# KiCad board mackerel-30-proto.kicad_pcb
title: Mackerel-30; date: 2024-11-09; rev: 0.1; company: Colin Maykish
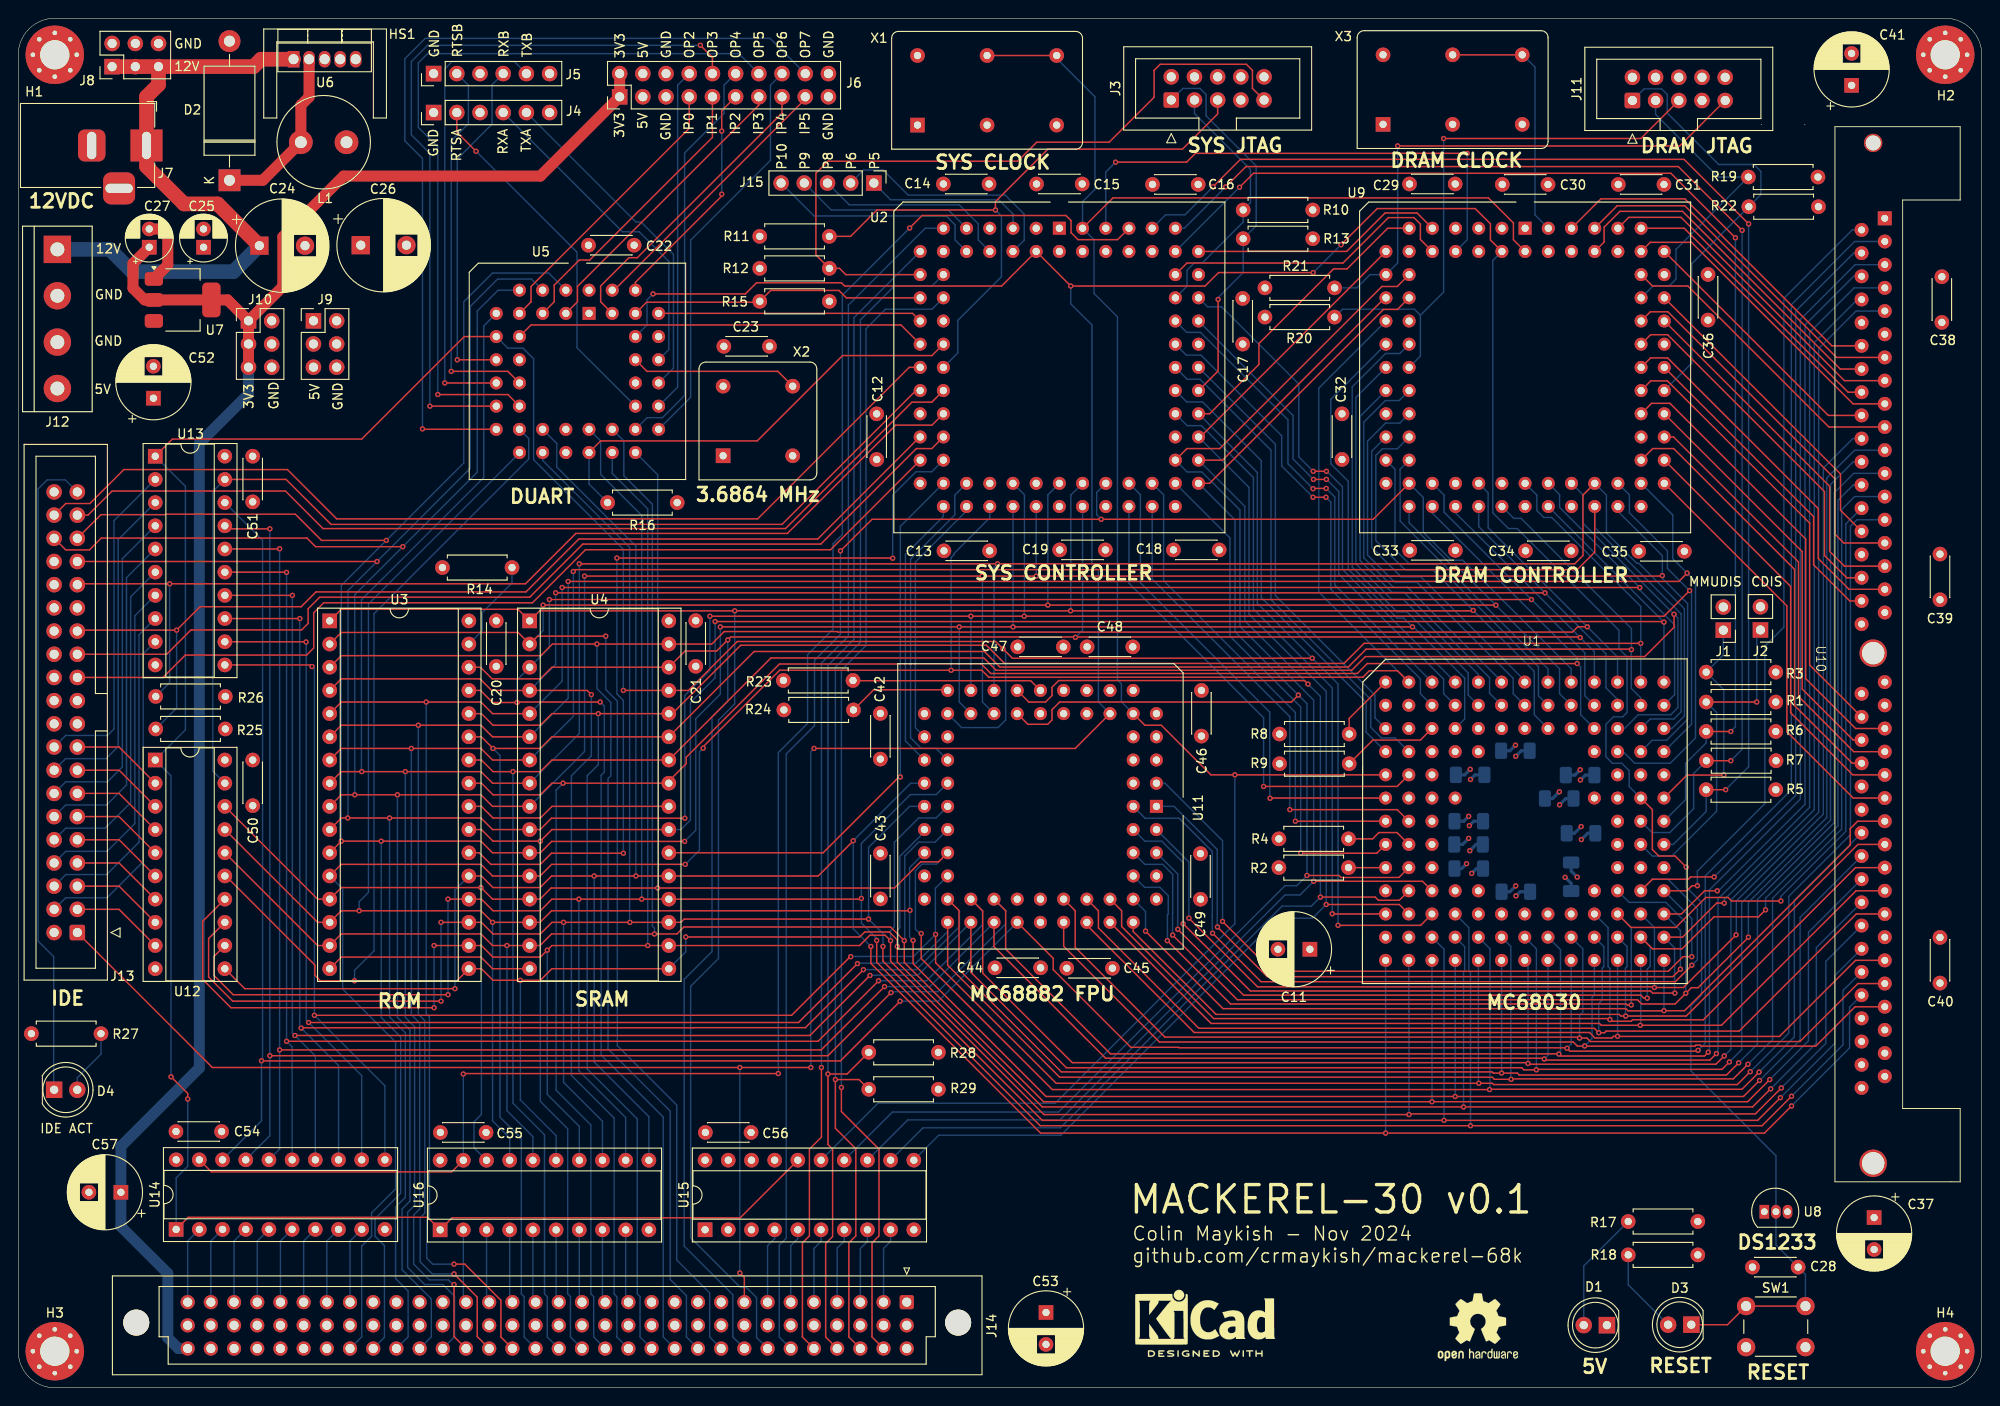
[diagram p0: board, top side]
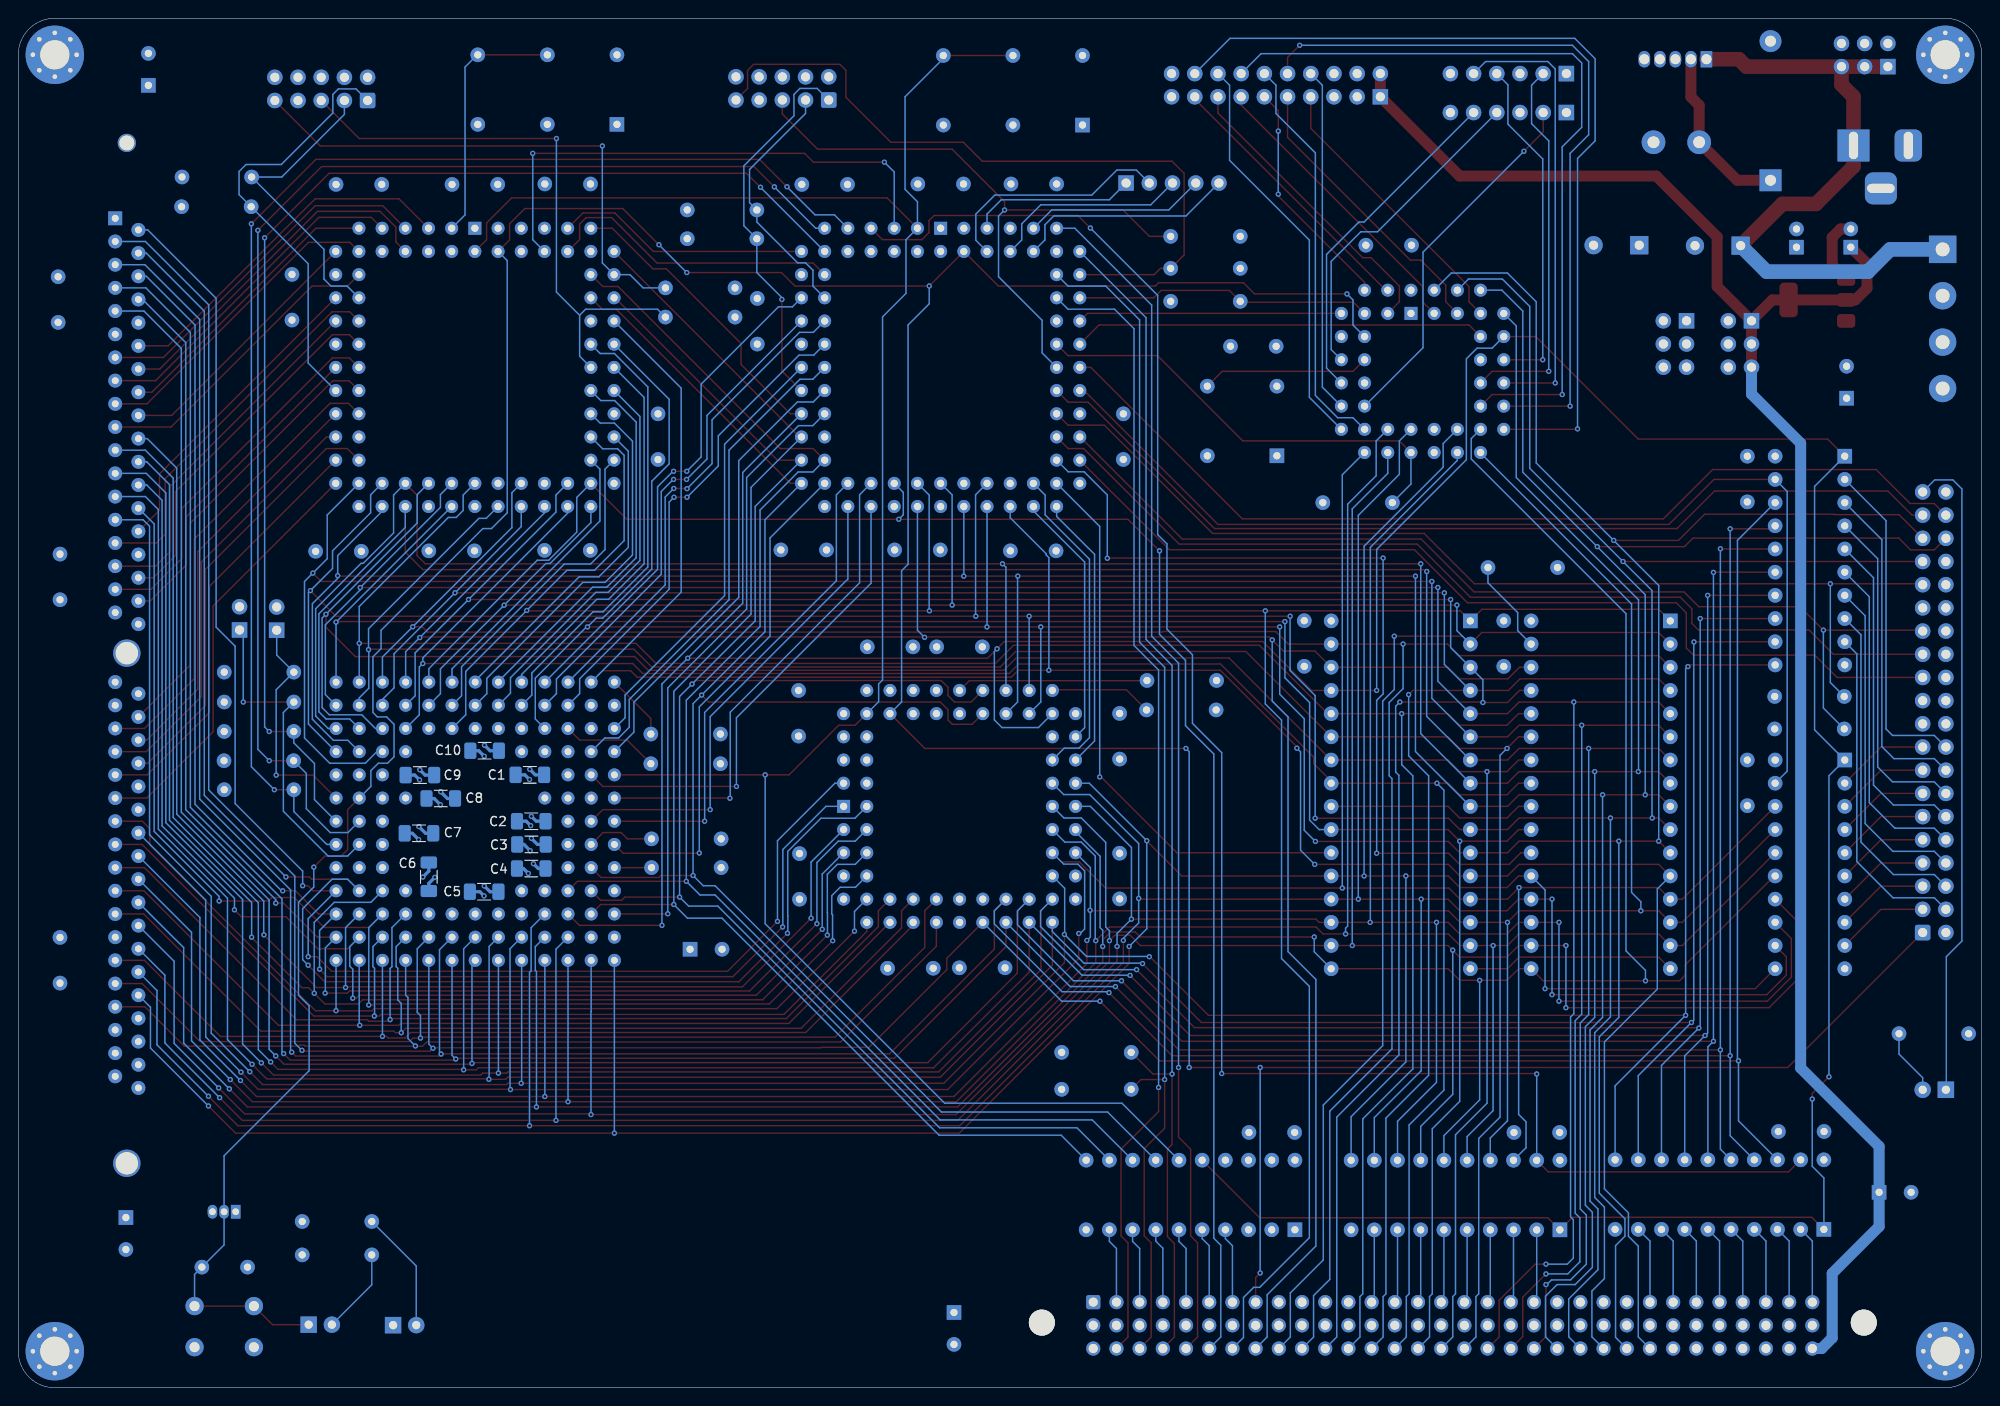
[diagram p1: board, bottom side, seen from below]

Outline 215 x 150 mm; copper layers: Top, In1.Cu, In2.Cu, Bottom. Coordinates in mm from the lower left corner of the outline.
Outline path: 0,146 0,4 arc(1.17,1.17) 4,0 211,0 arc(213.83,1.17) 215,4 215,146 arc(213.83,148.83) 211,150 4,150 arc(1.17,148.83) 0,146
Stack: Top 0.035mm / dielectric 0.1mm FR4 er 4.5 / In1.Cu 0.035mm / dielectric 1.24mm FR4 er 4.5 / In2.Cu 0.035mm / dielectric 0.1mm FR4 er 4.5 / Bottom 0.035mm

## Placement (name value [footprint] x y rotation side)
C1  0.1uF  [C_1206_3216Metric_Pad1.33x1.80mm_HandSolder]  158.98 67.13 0 bottom
C2  0.1uF  [C_1206_3216Metric_Pad1.33x1.80mm_HandSolder]  158.83 62.05 180 bottom
C3  0.1uF  [C_1206_3216Metric_Pad1.33x1.80mm_HandSolder]  158.8 59.51 0 bottom
C4  0.1uF  [C_1206_3216Metric_Pad1.33x1.80mm_HandSolder]  158.83 56.87 0 bottom
C5  0.1uF  [C_1206_3216Metric_Pad1.33x1.80mm_HandSolder]  163.98 54.33 0 bottom
C6  0.1uF  [C_1206_3216Metric_Pad1.33x1.80mm_HandSolder]  170.04 55.97 90 bottom
C7  0.1uF  [C_1206_3216Metric_Pad1.33x1.80mm_HandSolder]  171.12 60.73 180 bottom
C8  0.1uF  [C_1206_3216Metric_Pad1.33x1.80mm_HandSolder]  168.74 64.54 180 bottom
C9  0.1uF  [C_1206_3216Metric_Pad1.33x1.80mm_HandSolder]  171.02 67.1 180 bottom
C10  0.1uF  [C_1206_3216Metric_Pad1.33x1.80mm_HandSolder]  163.93 69.77 0 bottom
C11  470uF  [CP_Radial_D8.0mm_P3.50mm]  141.44 48.03 180 top
C12  0.1uF  [C_Disc_D4.3mm_W1.9mm_P5.00mm]  94 106.67 270 top
C13  0.1uF  [C_Disc_D4.3mm_W1.9mm_P5.00mm]  106.36 91.67 180 top
C14  0.1uF  [C_Disc_D4.3mm_W1.9mm_P5.00mm]  101.3 131.85 0 top
C15  0.1uF  [C_Disc_D4.3mm_W1.9mm_P5.00mm]  111.5 131.85 0 top
C16  0.1uF  [C_Disc_D4.3mm_W1.9mm_P5.00mm]  124.2 131.8 0 top
C17  0.1uF  [C_Disc_D4.3mm_W1.9mm_P5.00mm]  134.08 114.31 90 top
C18  0.1uF  [C_Disc_D4.3mm_W1.9mm_P5.00mm]  126.5 91.77 0 top
C19  0.1uF  [C_Disc_D4.3mm_W1.9mm_P5.00mm]  114.04 91.77 0 top
C20  0.1uF  [C_Disc_D4.3mm_W1.9mm_P5.00mm]  52.34 84.01 270 top
C21  0.1uF  [C_Disc_D4.3mm_W1.9mm_P5.00mm]  74.18 84.02 270 top
C22  0.1uF  [C_Disc_D4.3mm_W1.9mm_P5.00mm]  62.44 125.14 0 top
C23  0.1uF  [C_Disc_D4.3mm_W1.9mm_P5.00mm]  77.26 114.07 0 top
C24  1000uF  [CP_Radial_D10.0mm_P5.00mm]  26.4 125.09 0 top
C25  10uF  [CP_Radial_D5.0mm_P2.00mm]  20.28 124.92 90 top
C26  1000uF  [CP_Radial_D10.0mm_P5.00mm]  37.51 125.14 0 top
C27  10uF  [CP_Radial_D5.0mm_P2.00mm]  14.34 124.92 90 top
C28  0.01uF  [C_Disc_D4.3mm_W1.9mm_P5.00mm]  194.89 13.21 180 top
C29  0.1uF  [C_Disc_D4.3mm_W1.9mm_P5.00mm]  152.34 131.85 0 top
C30  0.1uF  [C_Disc_D4.3mm_W1.9mm_P5.00mm]  162.5 131.8 0 top
C31  0.1uF  [C_Disc_D4.3mm_W1.9mm_P5.00mm]  175.2 131.8 0 top
C32  0.1uF  [C_Disc_D4.3mm_W1.9mm_P5.00mm]  144.95 106.67 270 top
C33  0.1uF  [C_Disc_D4.3mm_W1.9mm_P5.00mm]  157.36 91.72 180 top
C34  0.1uF  [C_Disc_D4.3mm_W1.9mm_P5.00mm]  165.04 91.67 0 top
C35  0.1uF  [C_Disc_D4.3mm_W1.9mm_P5.00mm]  177.44 91.62 0 top
C36  0.1uF  [C_Disc_D4.3mm_W1.9mm_P5.00mm]  185.03 116.94 90 top
C37  470uF  [CP_Radial_D8.0mm_P3.50mm]  203.22 18.64 270 top
C38  0.1uF  [C_Disc_D4.3mm_W1.9mm_P5.00mm]  210.63 116.69 90 top
C39  0.1uF  [C_Disc_D4.3mm_W1.9mm_P5.00mm]  210.43 91.31 270 top
C40  0.1uF  [C_Disc_D4.3mm_W1.9mm_P5.00mm]  210.43 49.32 270 top
C41  470uF  [CP_Radial_D8.0mm_P3.50mm]  200.75 142.65 90 top
C42  0.1uF  [C_Disc_D4.3mm_W1.9mm_P5.00mm]  94.4 73.86 270 top
C43  0.1uF  [C_Disc_D4.3mm_W1.9mm_P5.00mm]  94.4 53.54 90 top
C44  0.1uF  [C_Disc_D4.3mm_W1.9mm_P5.00mm]  111.95 46 180 top
C45  0.1uF  [C_Disc_D4.3mm_W1.9mm_P5.00mm]  114.81 45.95 0 top
C46  0.1uF  [C_Disc_D4.3mm_W1.9mm_P5.00mm]  129.56 76.38 270 top
C47  0.1uF  [C_Disc_D4.3mm_W1.9mm_P5.00mm]  114.44 81.15 180 top
C48  0.1uF  [C_Disc_D4.3mm_W1.9mm_P5.00mm]  117.04 81.15 0 top
C49  0.1uF  [C_Disc_D4.3mm_W1.9mm_P5.00mm]  129.45 53.5 90 top
C50  C  [C_Disc_D4.3mm_W1.9mm_P5.00mm]  25.67 68.76 270 top
C51  C  [C_Disc_D4.3mm_W1.9mm_P5.00mm]  25.67 102.03 270 top
C52  470uF  [CP_Radial_D8.0mm_P3.50mm]  14.8 108.38 90 top
C53  470uF  [CP_Radial_D8.0mm_P3.50mm]  112.54 8.25 270 top
C54  0.1uF  [C_Disc_D4.3mm_W1.9mm_P5.00mm]  17.27 28.06 0 top
C55  0.1uF  [C_Disc_D4.3mm_W1.9mm_P5.00mm]  46.22 27.96 0 top
C56  0.1uF  [C_Disc_D4.3mm_W1.9mm_P5.00mm]  75.24 27.96 0 top
C57  470uF  [CP_Radial_D8.0mm_P3.50mm]  11.24 21.41 180 top
D1  LED  [LED_D5.0mm]  173.96 6.86 180 top
D2  1N5822  [D_DO-27_P15.24mm_Horizontal]  23.13 132.26 90 top
D3  LED  [LED_D5.0mm]  183.2 6.91 180 top
D4  LED  [LED_D5.0mm]  3.93 32.64 0 top
H1  MountingHole_Pad  [MountingHole_3.2mm_M3_Pad_Via]  4 146 0 top
H2  MountingHole_Pad  [MountingHole_3.2mm_M3_Pad_Via]  211 146 0 top
H3  MountingHole_Pad  [MountingHole_3.2mm_M3_Pad_Via]  4 4 0 top
H4  MountingHole_Pad  [MountingHole_3.2mm_M3_Pad_Via]  211 4 0 top
HS1  Heatsink  [Heatsink_Stonecold_HS-S02_13.21x9.53mm]  33.59 148.71 0 top
J1  Conn_01x02  [PinHeader_1x02_P2.54mm_Vertical]  186.71 82.97 180 top
J2  Conn_01x02  [PinHeader_1x02_P2.54mm_Vertical]  190.77 83 180 top
J3  Conn_02x05_Odd_Even  [IDC-Header_2x05_P2.54mm_Vertical]  126.25 141.04 90 top
J4  Conn_01x06  [PinHeader_1x06_P2.54mm_Vertical]  45.48 139.67 90 top
J5  Conn_01x06  [PinHeader_1x06_P2.54mm_Vertical]  45.48 143.94 90 top
J6  Conn_02x10_Odd_Even  [PinHeader_2x10_P2.54mm_Vertical]  65.85 141.4 90 top
J7  Barrel_Jack_MountingPin  [BarrelJack_Horizontal]  14.04 136.07 0 top
J8  Conn_02x03_Odd_Even  [PinHeader_2x03_P2.54mm_Vertical]  10.28 144.7 90 top
J9  Conn_02x03_Odd_Even  [PinHeader_2x03_P2.54mm_Vertical]  32.32 116.86 0 top
J10  Conn_02x03_Odd_Even  [PinHeader_2x03_P2.54mm_Vertical]  25.21 116.86 0 top
J11  Conn_02x05_Odd_Even  [IDC-Header_2x05_P2.54mm_Vertical]  176.75 140.99 90 top
J12  Screw_Terminal_01x04  [TerminalBlock_bornier-4_P5.08mm]  4.28 124.69 270 top
J13  Conn_02x20_Odd_Even  [IDC-Header_2x20_P2.54mm_Vertical]  6.47 49.86 180 top
J14  DIN41612_03x32_ABC  [DIN41612_C_3x32_Female_Vertical_THT]  97.29 9.38 270 top
J15  Conn_01x05  [PinHeader_1x05_P2.54mm_Vertical]  93.69 131.95 270 top
L1  100uH  [L_Radial_D10.0mm_P5.00mm_Fastron_07M]  30.94 136.42 0 top
R1  4k7  [R_Axial_DIN0207_L6.3mm_D2.5mm_P7.62mm_Horizontal]  192.45 75.11 180 top
R2  4k7  [R_Axial_DIN0207_L6.3mm_D2.5mm_P7.62mm_Horizontal]  138.04 56.97 0 top
R3  4k7  [R_Axial_DIN0207_L6.3mm_D2.5mm_P7.62mm_Horizontal]  192.45 78.38 180 top
R4  4k7  [R_Axial_DIN0207_L6.3mm_D2.5mm_P7.62mm_Horizontal]  138.04 60.12 0 top
R5  4k7  [R_Axial_DIN0207_L6.3mm_D2.5mm_P7.62mm_Horizontal]  192.45 65.5 180 top
R6  4k7  [R_Axial_DIN0207_L6.3mm_D2.5mm_P7.62mm_Horizontal]  192.45 71.88 180 top
R7  4k7  [R_Axial_DIN0207_L6.3mm_D2.5mm_P7.62mm_Horizontal]  192.47 68.68 180 top
R8  4k7  [R_Axial_DIN0207_L6.3mm_D2.5mm_P7.62mm_Horizontal]  138.12 71.6 0 top
R9  4k7  [R_Axial_DIN0207_L6.3mm_D2.5mm_P7.62mm_Horizontal]  138.12 68.35 0 top
R10  R  [R_Axial_DIN0207_L6.3mm_D2.5mm_P7.62mm_Horizontal]  141.75 129 180 top
R11  R  [R_Axial_DIN0207_L6.3mm_D2.5mm_P7.62mm_Horizontal]  81.19 126.11 0 top
R12  R  [R_Axial_DIN0207_L6.3mm_D2.5mm_P7.62mm_Horizontal]  81.19 122.6 0 top
R13  R  [R_Axial_DIN0207_L6.3mm_D2.5mm_P7.62mm_Horizontal]  134.13 125.85 0 top
R14  4k7  [R_Axial_DIN0207_L6.3mm_D2.5mm_P7.62mm_Horizontal]  46.45 89.84 0 top
R15  R  [R_Axial_DIN0207_L6.3mm_D2.5mm_P7.62mm_Horizontal]  81.19 119 0 top
R16  R  [R_Axial_DIN0207_L6.3mm_D2.5mm_P7.62mm_Horizontal]  64.53 96.95 0 top
R17  1k  [R_Axial_DIN0207_L6.3mm_D2.5mm_P7.62mm_Horizontal]  183.91 18.21 180 top
R18  1k  [R_Axial_DIN0207_L6.3mm_D2.5mm_P7.62mm_Horizontal]  183.91 14.55 180 top
R19  R  [R_Axial_DIN0207_L6.3mm_D2.5mm_P7.62mm_Horizontal]  197.07 132.61 180 top
R20  R  [R_Axial_DIN0207_L6.3mm_D2.5mm_P7.62mm_Horizontal]  136.51 117.27 0 top
R21  R  [R_Axial_DIN0207_L6.3mm_D2.5mm_P7.62mm_Horizontal]  136.51 120.47 0 top
R22  R  [R_Axial_DIN0207_L6.3mm_D2.5mm_P7.62mm_Horizontal]  189.5 129.36 0 top
R23  4k7  [R_Axial_DIN0207_L6.3mm_D2.5mm_P7.62mm_Horizontal]  83.78 77.47 0 top
R24  4k7  [R_Axial_DIN0207_L6.3mm_D2.5mm_P7.62mm_Horizontal]  83.84 74.24 0 top
R25  4k7  [R_Axial_DIN0207_L6.3mm_D2.5mm_P7.62mm_Horizontal]  22.67 72.16 180 top
R26  4k7  [R_Axial_DIN0207_L6.3mm_D2.5mm_P7.62mm_Horizontal]  22.67 75.72 180 top
R27  470  [R_Axial_DIN0207_L6.3mm_D2.5mm_P7.62mm_Horizontal]  1.44 38.78 0 top
R28  4k7  [R_Axial_DIN0207_L6.3mm_D2.5mm_P7.62mm_Horizontal]  93.13 36.74 0 top
R29  4k7  [R_Axial_DIN0207_L6.3mm_D2.5mm_P7.62mm_Horizontal]  93.13 32.69 0 top
REF**  -  [KiCad-Logo2_6mm_SilkScreen]  129.96 7.74 0 top
REF**#2  -  [OSHW-Logo2_9.8x8mm_SilkScreen]  159.83 6.63 0 top
SW1  SW_Push  [SW_PUSH_6mm_H5mm]  189.2 8.94 0 top
U1  MC68030RC  [PGA169]  149.72 77.29 0 top
U2  EPM7128  [PLCC-84_THT-Socket]  114 127 0 top
U3  SST39SF040  [DIP-32_W15.24mm_Socket]  34.1 84 0 top
U4  AS6C4008-55PCN  [DIP-32_W15.24mm_Socket]  56 84 0 top
U5  XR68C681  [PLCC-44_THT-Socket]  62.5 117.68 0 top
U6  LM2576T-5  [TO-220-5_Vertical]  30.15 145.51 0 top
U7  AMS1117-3.3  [SOT-223-3_TabPin2]  18 119.15 0 top
U8  DS1233  [TO-92L_Inline]  191.19 19.28 0 top
U9  EPM7128  [PLCC-84_THT-Socket]  165 127 0 top
U10  SIMM72  [SIMM-72]  204.38 128.09 270 top
U11  MC68882  [PLCC-68_THT-Socket]  124.63 63.68 270 top
U12  74HC245  [DIP-20_W7.62mm_Socket]  15 68.76 0 top
U13  74HC245  [DIP-20_W7.62mm_Socket]  15 102.03 0 top
U14  74HC245  [DIP-20_W7.62mm_Socket]  17.29 17.35 90 top
U15  74HC245  [DIP-20_W7.62mm_Socket]  75.2 17.31 90 top
U16  74HC245  [DIP-20_W7.62mm_Socket]  46.19 17.3 90 top
X1  CXO_DIP14  [Oscillator_DIP-14]  98.47 138.3 0 top
X2  3.6864MHz  [Oscillator_DIP-8]  77.18 102.08 0 top
X3  CXO_DIP14  [Oscillator_DIP-14]  149.44 138.38 0 top

## Library data of the parts
C1-C10 C12-C23 C28-C36 C38-C40 C42-C51 C54-C56 = -: Description: Unpolarized capacitor; ki_fp_filters: C_*
C11 C25 C27 C37 C41 C52 C53 C57 = -: Description: Polarized capacitor, US symbol; ki_fp_filters: CP_*
C24 C26 = -: Description: Polarized capacitor; ki_fp_filters: CP_*
D1 D3 D4 = -: Description: Light emitting diode; ki_fp_filters: LED* LED_SMD:* LED_THT:*
D2 = -: Description: Schottky diode; ki_fp_filters: TO-???* *_Diode_* *SingleDiode* D_*
H1-H4 = -: Description: Mounting Hole with connection; ki_fp_filters: MountingHole*Pad*
HS1 = -: ki_fp_filters: Heatsink_*
J1 J2 = -: Description: Generic connector, single row, 01x02, script generated (kicad-library-utils/schlib/autogen/connector/); ki_fp_filters: Connector*:*_1x??_*
J3 J11 = -: Description: Generic connector, double row, 02x05, odd/even pin numbering scheme (row 1 odd numbers, row 2 even numbers), script generated (kicad-library-utils/schlib/autogen/connector/); ki_fp_filters: Connector*:*_2x??_*
J4 J5 = -: Description: Generic connector, single row, 01x06, script generated (kicad-library-utils/schlib/autogen/connector/); ki_fp_filters: Connector*:*_1x??_*
J6 = -: Description: Generic connector, double row, 02x10, odd/even pin numbering scheme (row 1 odd numbers, row 2 even numbers), script generated (kicad-library-utils/schlib/autogen/connector/); ki_fp_filters: Connector*:*_2x??_*
J7 = -: Description: DC Barrel Jack with a mounting pin; ki_fp_filters: BarrelJack*
J8-J10 = -: Description: Generic connector, double row, 02x03, odd/even pin numbering scheme (row 1 odd numbers, row 2 even numbers), script generated (kicad-library-utils/schlib/autogen/connector/); ki_fp_filters: Connector*:*_2x??_*
J12 = -: Description: Generic screw terminal, single row, 01x04, script generated (kicad-library-utils/schlib/autogen/connector/); ki_fp_filters: TerminalBlock*:*
J13 = -: Description: Generic connector, double row, 02x20, odd/even pin numbering scheme (row 1 odd numbers, row 2 even numbers), script generated (kicad-library-utils/schlib/autogen/connector/); ki_fp_filters: Connector*:*_2x??_*
J14 = -: Description: DIN41612 connector, double row (AC), 02x32, script generated (kicad-library-utils/schlib/autogen/connector/); ki_fp_filters: DIN41612*2x*
J15 = -: Description: Generic connector, single row, 01x05, script generated (kicad-library-utils/schlib/autogen/connector/); ki_fp_filters: Connector*:*_1x??_*
L1 = -: Description: Inductor; ki_fp_filters: Choke_* *Coil* Inductor_* L_*
R1-R29 = -: Description: Resistor; ki_fp_filters: R_*
SW1 = -: Description: Push button switch, generic, two pins
U3 = -: Datasheet: http://ww1.microchip.com/downloads/en/DeviceDoc/25022B.pdf; Description: Silicon Storage Technology (SSF) 512k x 8 Flash ROM
U4 = -: Datasheet: https://www.alliancememory.com/wp-content/uploads/pdf/AS6C4008.pdf; Description: 512K x 8 Low Power CMOS RAM, DIP-32; ki_fp_filters: DIP*W15.24mm*
U6 = -: Datasheet: http://www.ti.com/lit/ds/symlink/lm2576.pdf; Description: 5V, 3A SIMPLE SWITCHER® Step-Down Voltage Regulator, TO-220-5; ki_fp_filters: TO?220*
U7 = -: Datasheet: http://www.advanced-monolithic.com/pdf/ds1117.pdf; Description: 1A Low Dropout regulator, positive, 3.3V fixed output, SOT-223; ki_fp_filters: SOT?223*TabPin2*
U12-U16 = -: Datasheet: http://www.ti.com/lit/gpn/sn74HC245; Description: Octal BUS Transceivers, 3-State outputs; ki_fp_filters: DIP?20*
X1 X3 = -: Datasheet: http://cdn-reichelt.de/documents/datenblatt/B400/OSZI.pdf; Description: Crystal Clock Oscillator, DIP14-style metal package; ki_fp_filters: Oscillator*DIP*14*
X2 = -: Datasheet: http://cdn-reichelt.de/documents/datenblatt/B400/OSZI.pdf; Description: Crystal Clock Oscillator, DIP8-style metal package; ki_fp_filters: Oscillator*DIP*8*

## Footprints (pads in the part's own frame, mm; a bottom-side part is the same pattern mirrored in y, then rotated)
BarrelJack_Horizontal
  rect 3.5x3.5 hole 1x3: 1(0,0)
  rrect 3x3.5 hole 1x3: 2(-6,0)
  rrect 3.5x3.5 hole 3x1: 3(-3,-4.7)
C_1206_3216Metric_Pad1.33x1.80mm_HandSolder
  rrect 1.325x1.8 smd: 1(-1.562,0) 2(1.562,0)
C_Disc_D4.3mm_W1.9mm_P5.00mm
  round 1.6 hole 0.8: 1(0,0) 2(5,0)
CP_Radial_D5.0mm_P2.00mm
  rect 1.6x1.6 hole 0.8: 1(0,0)
  round 1.6 hole 0.8: 2(2,0)
CP_Radial_D8.0mm_P3.50mm
  rect 1.6x1.6 hole 0.8: 1(0,0)
  round 1.6 hole 0.8: 2(3.5,0)
CP_Radial_D10.0mm_P5.00mm
  rect 2x2 hole 1: 1(0,0)
  round 2 hole 1: 2(5,0)
D_DO-27_P15.24mm_Horizontal
  rect 2.4x2.4 hole 1.2: 1(0,0)
  oval 2.4x2.4 hole 1.2: 2(15.24,0)
DIN41612_C_3x32_Female_Vertical_THT
  round 2.85 hole 2.85 unplated: (2.24,5.63) (2.24,-84.37)
  rrect 1.55x1.55 hole 1: a1(0,0)
  round 1.55 hole 1: a2(0,-2.54) a3(0,-5.08) a4(0,-7.62) a5(0,-10.16) a6(0,-12.7) a7(0,-15.24) a8(0,-17.78) a9(0,-20.32) a10(0,-22.86) a11(0,-25.4) a12(0,-27.94) a13(0,-30.48) a14(0,-33.02) a15(0,-35.56) a16(0,-38.1) a17(0,-40.64) a18(0,-43.18) a19(0,-45.72) a20(0,-48.26) a21(0,-50.8) a22(0,-53.34) a23(0,-55.88) a24(0,-58.42) a25(0,-60.96) a26(0,-63.5) a27(0,-66.04) a28(0,-68.58) a29(0,-71.12) a30(0,-73.66) a31(0,-76.2) a32(0,-78.74) b1(2.54,0) b2(2.54,-2.54) b3(2.54,-5.08) b4(2.54,-7.62) b5(2.54,-10.16) b6(2.54,-12.7) b7(2.54,-15.24) b8(2.54,-17.78) b9(2.54,-20.32) b10(2.54,-22.86) b11(2.54,-25.4) b12(2.54,-27.94) b13(2.54,-30.48) b14(2.54,-33.02) b15(2.54,-35.56) b16(2.54,-38.1) b17(2.54,-40.64) b18(2.54,-43.18) b19(2.54,-45.72) b20(2.54,-48.26) b21(2.54,-50.8) b22(2.54,-53.34) b23(2.54,-55.88) b24(2.54,-58.42) b25(2.54,-60.96) b26(2.54,-63.5) b27(2.54,-66.04) b28(2.54,-68.58) b29(2.54,-71.12) b30(2.54,-73.66) b31(2.54,-76.2) b32(2.54,-78.74) c1(5.08,0) c2(5.08,-2.54) c3(5.08,-5.08) c4(5.08,-7.62) c5(5.08,-10.16) c6(5.08,-12.7) c7(5.08,-15.24) c8(5.08,-17.78) c9(5.08,-20.32) c10(5.08,-22.86) c11(5.08,-25.4) c12(5.08,-27.94) c13(5.08,-30.48) c14(5.08,-33.02) c15(5.08,-35.56) c16(5.08,-38.1) c17(5.08,-40.64) c18(5.08,-43.18) c19(5.08,-45.72) c20(5.08,-48.26) c21(5.08,-50.8) c22(5.08,-53.34) c23(5.08,-55.88) c24(5.08,-58.42) c25(5.08,-60.96) c26(5.08,-63.5) c27(5.08,-66.04) c28(5.08,-68.58) c29(5.08,-71.12) c30(5.08,-73.66) c31(5.08,-76.2) c32(5.08,-78.74)
DIP-20_W7.62mm_Socket
  rect 1.6x1.6 hole 0.8: 1(0,0)
  oval 1.6x1.6 hole 0.8: 2(0,-2.54) 3(0,-5.08) 4(0,-7.62) 5(0,-10.16) 6(0,-12.7) 7(0,-15.24) 8(0,-17.78) 9(0,-20.32) 10(0,-22.86) 11(7.62,-22.86) 12(7.62,-20.32) 13(7.62,-17.78) 14(7.62,-15.24) 15(7.62,-12.7) 16(7.62,-10.16) 17(7.62,-7.62) 18(7.62,-5.08) 19(7.62,-2.54) 20(7.62,0)
DIP-32_W15.24mm_Socket
  rect 1.6x1.6 hole 0.8: 1(0,0)
  oval 1.6x1.6 hole 0.8: 2(0,-2.54) 3(0,-5.08) 4(0,-7.62) 5(0,-10.16) 6(0,-12.7) 7(0,-15.24) 8(0,-17.78) 9(0,-20.32) 10(0,-22.86) 11(0,-25.4) 12(0,-27.94) 13(0,-30.48) 14(0,-33.02) 15(0,-35.56) 16(0,-38.1) 17(15.24,-38.1) 18(15.24,-35.56) 19(15.24,-33.02) 20(15.24,-30.48) 21(15.24,-27.94) 22(15.24,-25.4) 23(15.24,-22.86) 24(15.24,-20.32) 25(15.24,-17.78) 26(15.24,-15.24) 27(15.24,-12.7) 28(15.24,-10.16) 29(15.24,-7.62) 30(15.24,-5.08) 31(15.24,-2.54) 32(15.24,0)
IDC-Header_2x05_P2.54mm_Vertical
  rrect 1.7x1.7 hole 1: 1(0,0)
  round 1.7 hole 1: 2(2.54,0) 3(0,-2.54) 4(2.54,-2.54) 5(0,-5.08) 6(2.54,-5.08) 7(0,-7.62) 8(2.54,-7.62) 9(0,-10.16) 10(2.54,-10.16)
IDC-Header_2x20_P2.54mm_Vertical
  rrect 1.7x1.7 hole 1: 1(0,0)
  round 1.7 hole 1: 2(2.54,0) 3(0,-2.54) 4(2.54,-2.54) 5(0,-5.08) 6(2.54,-5.08) 7(0,-7.62) 8(2.54,-7.62) 9(0,-10.16) 10(2.54,-10.16) 11(0,-12.7) 12(2.54,-12.7) 13(0,-15.24) 14(2.54,-15.24) 15(0,-17.78) 16(2.54,-17.78) 17(0,-20.32) 18(2.54,-20.32) 19(0,-22.86) 20(2.54,-22.86) 21(0,-25.4) 22(2.54,-25.4) 23(0,-27.94) 24(2.54,-27.94) 25(0,-30.48) 26(2.54,-30.48) 27(0,-33.02) 28(2.54,-33.02) 29(0,-35.56) 30(2.54,-35.56) 31(0,-38.1) 32(2.54,-38.1) 33(0,-40.64) 34(2.54,-40.64) 35(0,-43.18) 36(2.54,-43.18) 37(0,-45.72) 38(2.54,-45.72) 39(0,-48.26) 40(2.54,-48.26)
L_Radial_D10.0mm_P5.00mm_Fastron_07M
  round 2.6 hole 1.3: 1(0,0) 2(5,0)
LED_D5.0mm
  rect 1.8x1.8 hole 0.9: 1(0,0)
  round 1.8 hole 0.9: 2(2.54,0)
MountingHole_3.2mm_M3_Pad_Via
  round 0.8 hole 0.5: 1(-2.4,0) 1(-1.697,1.697) 1(-1.697,-1.697) 1(0,2.4) 1(0,-2.4) 1(1.697,1.697) 1(1.697,-1.697) 1(2.4,0)
  round 6.4 hole 3.2: 1(0,0)
Oscillator_DIP-8
  rect 1.6x1.6 hole 0.8: 1(0,0)
  round 1.6 hole 0.8: 4(7.62,0) 5(7.62,7.62) 8(0,7.62)
Oscillator_DIP-14
  rect 1.6x1.6 hole 0.8: 1(0,0)
  round 1.6 hole 0.8: 7(7.62,0) 7(15.24,0) 8(7.62,7.62) 8(15.24,7.62) 14(0,7.62)
PGA169
  round 1.422 hole 0.762: A1(0,0) A2(2.54,0) A3(5.08,0) A4(7.62,0) A5(10.16,0) A6(12.7,0) A7(15.24,0) A8(17.78,0) A9(20.32,0) A10(22.86,0) A11(25.4,0) A12(27.94,0) A13(30.48,0) B1(0,-2.54) B2(2.54,-2.54) B3(5.08,-2.54) B4(7.62,-2.54) B5(10.16,-2.54) B6(12.7,-2.54) B7(15.24,-2.54) B8(17.78,-2.54) B9(20.32,-2.54) B10(22.86,-2.54) B11(25.4,-2.54) B12(27.94,-2.54) B13(30.48,-2.54) C1(0,-5.08) C2(2.54,-5.08) C3(5.08,-5.08) C4(7.62,-5.08) C5(10.16,-5.08) C6(12.7,-5.08) C7(15.24,-5.08) C8(17.78,-5.08) C9(20.32,-5.08) C10(22.86,-5.08) C11(25.4,-5.08) C12(27.94,-5.08) C13(30.48,-5.08) D1(0,-7.62) D2(2.54,-7.62) D3(5.08,-7.62) D4(7.62,-7.62) D5(10.16,-7.62) D10(22.86,-7.62) D11(25.4,-7.62) D12(27.94,-7.62) D13(30.48,-7.62) E1(0,-10.16) E2(2.54,-10.16) E3(5.08,-10.16) E11(25.4,-10.16) E12(27.94,-10.16) E13(30.48,-10.16) F1(0,-12.7) F2(2.54,-12.7) F3(5.08,-12.7) F4(7.62,-12.7) F10(22.86,-12.7) F11(25.4,-12.7) F12(27.94,-12.7) F13(30.48,-12.7) G1(0,-15.24) G2(2.54,-15.24) G3(5.08,-15.24) G11(25.4,-15.24) G12(27.94,-15.24) G13(30.48,-15.24) H1(0,-17.78) H2(2.54,-17.78) H3(5.08,-17.78) H11(25.4,-17.78) H12(27.94,-17.78) H13(30.48,-17.78) J1(0,-20.32) J2(2.54,-20.32) J3(5.08,-20.32) J11(25.4,-20.32) J12(27.94,-20.32) J13(30.48,-20.32) K1(0,-22.86) K2(2.54,-22.86) K3(5.08,-22.86) K4(7.62,-22.86) K5(10.16,-22.86) K10(22.86,-22.86) K11(25.4,-22.86) K12(27.94,-22.86) K13(30.48,-22.86) L1(0,-25.4) L2(2.54,-25.4) L3(5.08,-25.4) L4(7.62,-25.4) L5(10.16,-25.4) L6(12.7,-25.4) L7(15.24,-25.4) L8(17.78,-25.4) L9(20.32,-25.4) L10(22.86,-25.4) L11(25.4,-25.4) L12(27.94,-25.4) L13(30.48,-25.4) M1(0,-27.94) M2(2.54,-27.94) M3(5.08,-27.94) M4(7.62,-27.94) M5(10.16,-27.94) M6(12.7,-27.94) M7(15.24,-27.94) M8(17.78,-27.94) M9(20.32,-27.94) M10(22.86,-27.94) M11(25.4,-27.94) M12(27.94,-27.94) M13(30.48,-27.94) N1(0,-30.48) N2(2.54,-30.48) N3(5.08,-30.48) N4(7.62,-30.48) N5(10.16,-30.48) N6(12.7,-30.48) N7(15.24,-30.48) N8(17.78,-30.48) N9(20.32,-30.48) N10(22.86,-30.48) N11(25.4,-30.48) N12(27.94,-30.48) N13(30.48,-30.48)